# KiCad board untitled.kicad_pcb (continued)
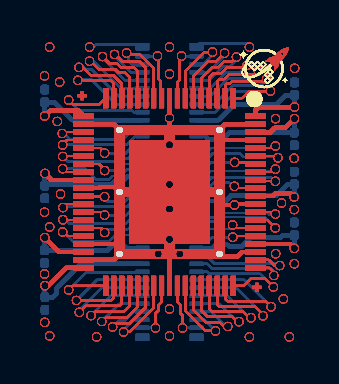
[diagram p0: board, top side]
## Routing (per net, layer and track width the routed paths; a pad name or vN(x,y) marks a point on that pad's centre or on a via; arc(x,y) is an arc through that point) (continued)
/PIN 7: length 267.5
  Top w0.1: 3.46,11.02 J158.16 ; 3.46,11.02 3.31,11.17 ; 3.46,11.02 J158.16 ; 3.46,11.02 J158.16 ; 3.46,11.02 J158.16 ; 3.46,11.02 3.31,11.17 ; 3.46,11.02 3.31,11.17 ; 3.46,11.02 3.31,11.17 ; 3.46,11.02 J158.16 ; 3.46,11.02 3.31,11.17 ; 3.46,11.02 J158.16 ; 3.46,11.02 3.31,11.17 ; 3.46,11.02 J158.16 ; 3.46,11.02 3.31,11.17 ; 3.46,11.02 3.31,11.17 ; 3.46,11.02 J158.16 ; 3.46,11.02 J158.16 ; 3.46,11.02 J158.16 ; 3.46,11.02 J158.16 ; 3.46,11.02 J158.16 ; 3.46,11.02 3.31,11.17 ; 3.46,11.02 J158.16 ; 3.46,11.02 J158.16 ; 3.46,11.02 J158.16 ; 3.46,11.02 J158.16 ; 3.46,11.02 J158.16 ; 3.46,11.02 J158.16 ; 3.46,11.02 3.31,11.17 ; 3.46,11.02 J158.16 ; 3.46,11.02 3.31,11.17 ; 3.46,11.02 J158.16 ; 3.46,11.02 3.31,11.17 ; 3.46,11.02 3.31,11.17 ; 3.46,11.02 3.31,11.17 ; 3.46,11.02 3.31,11.17 ; 3.46,11.02 J158.16 ; 3.46,11.02 3.31,11.17 ; 3.46,11.02 3.31,11.17 ; 3.46,11.02 J158.16 ; 3.46,11.02 3.31,11.17 ; 3.46,11.02 J158.16 ; 3.46,11.02 3.31,11.17 ; 3.46,11.02 3.31,11.17 ; 3.46,11.02 J158.16 ; 3.46,11.02 J158.16 ; 3.46,11.02 3.31,11.17 ; 3.46,11.02 3.31,11.17 ; 3.46,11.02 3.31,11.17 ; 3.46,11.02 J158.16 ; 3.46,11.02 3.31,11.17 ; 3.46,11.02 3.31,11.17 ; 3.46,11.02 J158.16 ; 3.46,11.02 3.31,11.17 ; 3.46,11.02 3.31,11.17 ; 3.46,11.02 3.31,11.17 ; 3.46,11.02 3.31,11.17 ; 3.46,11.02 J158.16 ; 3.46,11.02 3.31,11.17 ; 3.46,11.02 J158.16 ; 3.46,11.02 J158.16 ; 3.46,11.02 J158.16 ; 3.46,11.02 3.31,11.17 ; 3.46,11.02 3.31,11.17 ; 3.46,11.02 3.31,11.17 ; 3.46,11.02 3.31,11.17 ; 3.46,11.02 J158.16 ; 3.46,11.02 J158.16 ; 3.46,11.02 J158.16 ; 3.46,11.02 3.31,11.17 ; 3.46,11.02 3.31,11.17 ; 3.46,11.02 J158.16 ; 3.46,11.02 J158.16 ; 3.46,11.02 3.31,11.17 ; 3.46,11.02 J158.16 ; 3.46,11.02 3.31,11.17 ; 3.46,11.02 J158.16 ; 3.46,11.02 3.31,11.17 ; 3.46,11.02 J158.16 ; 3.46,11.02 3.31,11.17 ; 3.46,11.02 3.31,11.17 ; 3.46,11.02 J158.16 ; 3.46,11.02 J158.16 ; 3.46,11.02 3.31,11.17 ; 3.46,11.02 J158.16 ; 3.31,11.17 v1(1.67,11.17) ; 3.31,11.17 v1(1.67,11.17) ; 3.31,11.17 v1(1.67,11.17) ; 3.31,11.17 v1(1.67,11.17) ; 3.31,11.17 v1(1.67,11.17) ; 3.31,11.17 v1(1.67,11.17) ; 3.31,11.17 v1(1.67,11.17) ; 3.31,11.17 v1(1.67,11.17) ; 3.31,11.17 v1(1.67,11.17) ; 3.31,11.17 v1(1.67,11.17) ; 3.31,11.17 v1(1.67,11.17) ; 3.31,11.17 v1(1.67,11.17) ; 3.31,11.17 v1(1.67,11.17) ; 3.31,11.17 v1(1.67,11.17) ; 3.31,11.17 v1(1.67,11.17) ; 3.31,11.17 v1(1.67,11.17) ; 3.31,11.17 v1(1.67,11.17) ; 3.31,11.17 v1(1.67,11.17) ; 3.31,11.17 v1(1.67,11.17) ; 3.31,11.17 v1(1.67,11.17) ; 3.31,11.17 v1(1.67,11.17) ; 3.31,11.17 v1(1.67,11.17) ; 3.31,11.17 v1(1.67,11.17) ; 3.31,11.17 v1(1.67,11.17) ; 3.31,11.17 v1(1.67,11.17) ; 3.31,11.17 v1(1.67,11.17) ; 3.31,11.17 v1(1.67,11.17) ; 3.31,11.17 v1(1.67,11.17) ; 3.31,11.17 v1(1.67,11.17) ; 3.31,11.17 v1(1.67,11.17) ; 3.31,11.17 v1(1.67,11.17) ; 3.31,11.17 v1(1.67,11.17) ; 3.31,11.17 v1(1.67,11.17) ; 3.31,11.17 v1(1.67,11.17) ; 3.31,11.17 v1(1.67,11.17) ; 3.31,11.17 v1(1.67,11.17) ; 3.31,11.17 v1(1.67,11.17) ; 3.31,11.17 v1(1.67,11.17) ; 3.31,11.17 v1(1.67,11.17) ; 3.31,11.17 v1(1.67,11.17) ; 3.31,11.17 v1(1.67,11.17) ; 3.31,11.17 v1(1.67,11.17)
  Bottom w0.1: 3.57,9.98 J173.64 ; 3.57,9.98 2.32,11.23 ; 3.57,9.98 J173.64 ; 3.57,9.98 2.32,11.23 ; 3.57,9.98 J173.64 ; 3.57,9.98 J173.64 ; 3.57,9.98 2.32,11.23 ; 3.57,9.98 J173.64 ; 3.57,9.98 J173.64 ; 3.57,9.98 J173.64 ; 3.57,9.98 J173.64 ; 3.57,9.98 2.32,11.23 ; 3.57,9.98 2.32,11.23 ; 3.57,9.98 J173.64 ; 3.57,9.98 2.32,11.23 ; 3.57,9.98 J173.64 ; 3.57,9.98 J173.64 ; 3.57,9.98 2.32,11.23 ; 3.57,9.98 J173.64 ; 3.57,9.98 2.32,11.23 ; 3.57,9.98 J173.64 ; 3.57,9.98 2.32,11.23 ; 3.57,9.98 J173.64 ; 3.57,9.98 2.32,11.23 ; 3.57,9.98 J173.64 ; 3.57,9.98 J173.64 ; 3.57,9.98 2.32,11.23 ; 3.57,9.98 2.32,11.23 ; 3.57,9.98 J173.64 ; 3.57,9.98 J173.64 ; 3.57,9.98 J173.64 ; 3.57,9.98 2.32,11.23 ; 3.57,9.98 J173.64 ; 3.57,9.98 J173.64 ; 3.57,9.98 2.32,11.23 ; 3.57,9.98 2.32,11.23 ; 3.57,9.98 2.32,11.23 ; 3.57,9.98 2.32,11.23 ; 3.57,9.98 2.32,11.23 ; 3.57,9.98 J173.64 ; 3.57,9.98 2.32,11.23 ; 3.57,9.98 2.32,11.23 ; 3.57,9.98 2.32,11.23 ; 3.57,9.98 2.32,11.23 ; 3.57,9.98 J173.64 ; 3.57,9.98 2.32,11.23 ; 3.57,9.98 2.32,11.23 ; 3.57,9.98 2.32,11.23 ; 3.57,9.98 J173.64 ; 3.57,9.98 J173.64 ; 3.57,9.98 2.32,11.23 ; 3.57,9.98 J173.64 ; 3.57,9.98 J173.64 ; 3.57,9.98 2.32,11.23 ; 3.57,9.98 2.32,11.23 ; 3.57,9.98 J173.64 ; 3.57,9.98 J173.64 ; 3.57,9.98 2.32,11.23 ; 3.57,9.98 J173.64 ; 3.57,9.98 J173.64 ; 3.57,9.98 J173.64 ; 3.57,9.98 J173.64 ; 3.57,9.98 J173.64 ; 3.57,9.98 2.32,11.23 ; 3.57,9.98 2.32,11.23 ; 3.57,9.98 2.32,11.23 ; 3.57,9.98 2.32,11.23 ; 3.57,9.98 2.32,11.23 ; 3.57,9.98 J173.64 ; 3.57,9.98 J173.64 ; 3.57,9.98 2.32,11.23 ; 3.57,9.98 J173.64 ; 3.57,9.98 J173.64 ; 3.57,9.98 J173.64 ; 3.57,9.98 J173.64 ; 3.57,9.98 J173.64 ; 3.57,9.98 2.32,11.23 ; 3.57,9.98 J173.64 ; 3.57,9.98 2.32,11.23 ; 3.57,9.98 2.32,11.23 ; 3.57,9.98 2.32,11.23 ; 3.57,9.98 2.32,11.23 ; 3.57,9.98 2.32,11.23 ; 3.57,9.98 2.32,11.23 ; 2.32,11.23 1.73,11.23 ; 2.32,11.23 1.73,11.23 ; 2.32,11.23 1.73,11.23 ; 2.32,11.23 1.73,11.23 ; 2.32,11.23 1.73,11.23 ; 2.32,11.23 1.73,11.23 ; 2.32,11.23 1.73,11.23 ; 2.32,11.23 1.73,11.23 ; 2.32,11.23 1.73,11.23 ; 2.32,11.23 1.73,11.23 ; 2.32,11.23 1.73,11.23 ; 2.32,11.23 1.73,11.23 ; 2.32,11.23 1.73,11.23 ; 2.32,11.23 1.73,11.23 ; 2.32,11.23 1.73,11.23 ; 2.32,11.23 1.73,11.23 ; 2.32,11.23 1.73,11.23 ; 2.32,11.23 1.73,11.23 ; 2.32,11.23 1.73,11.23 ; 2.32,11.23 1.73,11.23 ; 2.32,11.23 1.73,11.23 ; 2.32,11.23 1.73,11.23 ; 2.32,11.23 1.73,11.23 ; 2.32,11.23 1.73,11.23 ; 2.32,11.23 1.73,11.23 ; 2.32,11.23 1.73,11.23 ; 2.32,11.23 1.73,11.23 ; 2.32,11.23 1.73,11.23 ; 2.32,11.23 1.73,11.23 ; 2.32,11.23 1.73,11.23 ; 2.32,11.23 1.73,11.23 ; 2.32,11.23 1.73,11.23 ; 2.32,11.23 1.73,11.23 ; 2.32,11.23 1.73,11.23 ; 2.32,11.23 1.73,11.23 ; 2.32,11.23 1.73,11.23 ; 2.32,11.23 1.73,11.23 ; 2.32,11.23 1.73,11.23 ; 2.32,11.23 1.73,11.23 ; 2.32,11.23 1.73,11.23 ; 2.32,11.23 1.73,11.23 ; 2.32,11.23 1.73,11.23 ; 1.73,11.23 v1(1.67,11.17) ; 1.73,11.23 v1(1.67,11.17) ; 1.73,11.23 v1(1.67,11.17) ; 1.73,11.23 v1(1.67,11.17) ; 1.73,11.23 v1(1.67,11.17) ; 1.73,11.23 v1(1.67,11.17) ; 1.73,11.23 v1(1.67,11.17) ; 1.73,11.23 v1(1.67,11.17) ; 1.73,11.23 v1(1.67,11.17) ; 1.73,11.23 v1(1.67,11.17) ; 1.73,11.23 v1(1.67,11.17) ; 1.73,11.23 v1(1.67,11.17) ; 1.73,11.23 v1(1.67,11.17) ; 1.73,11.23 v1(1.67,11.17) ; 1.73,11.23 v1(1.67,11.17) ; 1.73,11.23 v1(1.67,11.17) ; 1.73,11.23 v1(1.67,11.17) ; 1.73,11.23 v1(1.67,11.17) ; 1.73,11.23 v1(1.67,11.17) ; 1.73,11.23 v1(1.67,11.17) ; 1.73,11.23 v1(1.67,11.17) ; 1.73,11.23 v1(1.67,11.17) ; 1.73,11.23 v1(1.67,11.17) ; 1.73,11.23 v1(1.67,11.17) ; 1.73,11.23 v1(1.67,11.17) ; 1.73,11.23 v1(1.67,11.17) ; 1.73,11.23 v1(1.67,11.17) ; 1.73,11.23 v1(1.67,11.17) ; 1.73,11.23 v1(1.67,11.17) ; 1.73,11.23 v1(1.67,11.17) ; 1.73,11.23 v1(1.67,11.17) ; 1.73,11.23 v1(1.67,11.17) ; 1.73,11.23 v1(1.67,11.17) ; 1.73,11.23 v1(1.67,11.17) ; 1.73,11.23 v1(1.67,11.17) ; 1.73,11.23 v1(1.67,11.17) ; 1.73,11.23 v1(1.67,11.17) ; 1.73,11.23 v1(1.67,11.17) ; 1.73,11.23 v1(1.67,11.17) ; 1.73,11.23 v1(1.67,11.17) ; 1.73,11.23 v1(1.67,11.17) ; 1.73,11.23 v1(1.67,11.17)
/PIN 8: length 252.4
  Top w0.1: 1.42,9.97 v1(1.21,10.18) ; 1.42,9.97 v1(1.21,10.18) ; 1.42,9.97 v1(1.21,10.18) ; 1.42,9.97 v1(1.21,10.18) ; 1.42,9.97 2.75,9.97 ; 1.42,9.97 v1(1.21,10.18) ; 1.42,9.97 2.75,9.97 ; 1.42,9.97 2.75,9.97 ; 1.42,9.97 2.75,9.97 ; 1.42,9.97 2.75,9.97 ; 1.42,9.97 2.75,9.97 ; 1.42,9.97 v1(1.21,10.18) ; 1.42,9.97 2.75,9.97 ; 1.42,9.97 v1(1.21,10.18) ; 1.42,9.97 v1(1.21,10.18) ; 1.42,9.97 v1(1.21,10.18) ; 1.42,9.97 v1(1.21,10.18) ; 1.42,9.97 v1(1.21,10.18) ; 1.42,9.97 2.75,9.97 ; 1.42,9.97 2.75,9.97 ; 1.42,9.97 v1(1.21,10.18) ; 1.42,9.97 v1(1.21,10.18) ; 1.42,9.97 v1(1.21,10.18) ; 1.42,9.97 2.75,9.97 ; 1.42,9.97 v1(1.21,10.18) ; 1.42,9.97 v1(1.21,10.18) ; 1.42,9.97 v1(1.21,10.18) ; 1.42,9.97 2.75,9.97 ; 1.42,9.97 2.75,9.97 ; 1.42,9.97 2.75,9.97 ; 1.42,9.97 2.75,9.97 ; 1.42,9.97 v1(1.21,10.18) ; 1.42,9.97 v1(1.21,10.18) ; 1.42,9.97 v1(1.21,10.18) ; 1.42,9.97 v1(1.21,10.18) ; 1.42,9.97 v1(1.21,10.18) ; 1.42,9.97 2.75,9.97 ; 1.42,9.97 v1(1.21,10.18) ; 1.42,9.97 2.75,9.97 ; 1.42,9.97 v1(1.21,10.18) ; 1.42,9.97 v1(1.21,10.18) ; 1.42,9.97 2.75,9.97 ; 1.42,9.97 2.75,9.97 ; 1.42,9.97 v1(1.21,10.18) ; 1.42,9.97 2.75,9.97 ; 1.42,9.97 2.75,9.97 ; 1.42,9.97 2.75,9.97 ; 1.42,9.97 2.75,9.97 ; 1.42,9.97 2.75,9.97 ; 1.42,9.97 2.75,9.97 ; 1.42,9.97 2.75,9.97 ; 1.42,9.97 2.75,9.97 ; 1.42,9.97 v1(1.21,10.18) ; 1.42,9.97 2.75,9.97 ; 1.42,9.97 v1(1.21,10.18) ; 1.42,9.97 2.75,9.97 ; 1.42,9.97 v1(1.21,10.18) ; 1.42,9.97 2.75,9.97 ; 1.42,9.97 v1(1.21,10.18) ; 1.42,9.97 2.75,9.97 ; 1.42,9.97 2.75,9.97 ; 1.42,9.97 v1(1.21,10.18) ; 1.42,9.97 2.75,9.97 ; 1.42,9.97 v1(1.21,10.18) ; 1.42,9.97 v1(1.21,10.18) ; 1.42,9.97 2.75,9.97 ; 1.42,9.97 2.75,9.97 ; 1.42,9.97 2.75,9.97 ; 1.42,9.97 v1(1.21,10.18) ; 1.42,9.97 v1(1.21,10.18) ; 1.42,9.97 2.75,9.97 ; 1.42,9.97 v1(1.21,10.18) ; 1.42,9.97 2.75,9.97 ; 1.42,9.97 v1(1.21,10.18) ; 1.42,9.97 2.75,9.97 ; 1.42,9.97 2.75,9.97 ; 1.42,9.97 2.75,9.97 ; 1.42,9.97 v1(1.21,10.18) ; 1.42,9.97 2.75,9.97 ; 1.42,9.97 v1(1.21,10.18) ; 1.42,9.97 v1(1.21,10.18) ; 1.42,9.97 v1(1.21,10.18) ; 1.42,9.97 v1(1.21,10.18) ; 1.42,9.97 2.75,9.97 ; J158.17 2.75,9.97 ; J158.17 2.75,9.97 ; J158.17 2.75,9.97 ; J158.17 2.75,9.97 ; J158.17 2.75,9.97 ; J158.17 2.75,9.97 ; J158.17 2.75,9.97 ; J158.17 2.75,9.97 ; J158.17 2.75,9.97 ; J158.17 2.75,9.97 ; J158.17 2.75,9.97 ; J158.17 2.75,9.97 ; J158.17 2.75,9.97 ; J158.17 2.75,9.97 ; J158.17 2.75,9.97 ; J158.17 2.75,9.97 ; J158.17 2.75,9.97 ; J158.17 2.75,9.97 ; J158.17 2.75,9.97 ; J158.17 2.75,9.97 ; J158.17 2.75,9.97 ; J158.17 2.75,9.97 ; J158.17 2.75,9.97 ; J158.17 2.75,9.97 ; J158.17 2.75,9.97 ; J158.17 2.75,9.97 ; J158.17 2.75,9.97 ; J158.17 2.75,9.97 ; J158.17 2.75,9.97 ; J158.17 2.75,9.97 ; J158.17 2.75,9.97 ; J158.17 2.75,9.97 ; J158.17 2.75,9.97 ; J158.17 2.75,9.97 ; J158.17 2.75,9.97 ; J158.17 2.75,9.97 ; J158.17 2.75,9.97 ; J158.17 2.75,9.97 ; J158.17 2.75,9.97 ; J158.17 2.75,9.97 ; J158.17 2.75,9.97 ; J158.17 2.75,9.97
  Bottom w0.1: v1(1.21,10.18) 1.71,9.68 ; v1(1.21,10.18) 1.71,9.68 ; v1(1.21,10.18) 1.71,9.68 ; v1(1.21,10.18) 1.71,9.68 ; v1(1.21,10.18) 1.71,9.68 ; v1(1.21,10.18) 1.71,9.68 ; v1(1.21,10.18) 1.71,9.68 ; v1(1.21,10.18) 1.71,9.68 ; v1(1.21,10.18) 1.71,9.68 ; v1(1.21,10.18) 1.71,9.68 ; v1(1.21,10.18) 1.71,9.68 ; v1(1.21,10.18) 1.71,9.68 ; v1(1.21,10.18) 1.71,9.68 ; v1(1.21,10.18) 1.71,9.68 ; v1(1.21,10.18) 1.71,9.68 ; v1(1.21,10.18) 1.71,9.68 ; v1(1.21,10.18) 1.71,9.68 ; v1(1.21,10.18) 1.71,9.68 ; v1(1.21,10.18) 1.71,9.68 ; v1(1.21,10.18) 1.71,9.68 ; v1(1.21,10.18) 1.71,9.68 ; v1(1.21,10.18) 1.71,9.68 ; v1(1.21,10.18) 1.71,9.68 ; v1(1.21,10.18) 1.71,9.68 ; v1(1.21,10.18) 1.71,9.68 ; v1(1.21,10.18) 1.71,9.68 ; v1(1.21,10.18) 1.71,9.68 ; v1(1.21,10.18) 1.71,9.68 ; v1(1.21,10.18) 1.71,9.68 ; v1(1.21,10.18) 1.71,9.68 ; v1(1.21,10.18) 1.71,9.68 ; v1(1.21,10.18) 1.71,9.68 ; v1(1.21,10.18) 1.71,9.68 ; v1(1.21,10.18) 1.71,9.68 ; v1(1.21,10.18) 1.71,9.68 ; v1(1.21,10.18) 1.71,9.68 ; v1(1.21,10.18) 1.71,9.68 ; v1(1.21,10.18) 1.71,9.68 ; v1(1.21,10.18) 1.71,9.68 ; v1(1.21,10.18) 1.71,9.68 ; v1(1.21,10.18) 1.71,9.68 ; v1(1.21,10.18) 1.71,9.68 ; 1.71,9.68 4.36,9.68 ; 1.71,9.68 4.36,9.68 ; 1.71,9.68 4.36,9.68 ; 1.71,9.68 4.36,9.68 ; 1.71,9.68 4.36,9.68 ; 1.71,9.68 4.36,9.68 ; 1.71,9.68 4.36,9.68 ; 1.71,9.68 4.36,9.68 ; 1.71,9.68 4.36,9.68 ; 1.71,9.68 4.36,9.68 ; 1.71,9.68 4.36,9.68 ; 1.71,9.68 4.36,9.68 ; 1.71,9.68 4.36,9.68 ; 1.71,9.68 4.36,9.68 ; 1.71,9.68 4.36,9.68 ; 1.71,9.68 4.36,9.68 ; 1.71,9.68 4.36,9.68 ; 1.71,9.68 4.36,9.68 ; 1.71,9.68 4.36,9.68 ; 1.71,9.68 4.36,9.68 ; 1.71,9.68 4.36,9.68 ; 1.71,9.68 4.36,9.68 ; 1.71,9.68 4.36,9.68 ; 1.71,9.68 4.36,9.68 ; 1.71,9.68 4.36,9.68 ; 1.71,9.68 4.36,9.68 ; 1.71,9.68 4.36,9.68 ; 1.71,9.68 4.36,9.68 ; 1.71,9.68 4.36,9.68 ; 1.71,9.68 4.36,9.68 ; 1.71,9.68 4.36,9.68 ; 1.71,9.68 4.36,9.68 ; 1.71,9.68 4.36,9.68 ; 1.71,9.68 4.36,9.68 ; 1.71,9.68 4.36,9.68 ; 1.71,9.68 4.36,9.68 ; 1.71,9.68 4.36,9.68 ; 1.71,9.68 4.36,9.68 ; 1.71,9.68 4.36,9.68 ; 1.71,9.68 4.36,9.68 ; 1.71,9.68 4.36,9.68 ; 1.71,9.68 4.36,9.68 ; 4.36,9.68 4.46,9.58 ; 4.36,9.68 4.46,9.58 ; 4.36,9.68 4.46,9.58 ; 4.36,9.68 4.46,9.58 ; 4.36,9.68 4.46,9.58 ; 4.36,9.68 4.46,9.58 ; 4.36,9.68 4.46,9.58 ; 4.36,9.68 4.46,9.58 ; 4.36,9.68 4.46,9.58 ; 4.36,9.68 4.46,9.58 ; 4.36,9.68 4.46,9.58 ; 4.36,9.68 4.46,9.58 ; 4.36,9.68 4.46,9.58 ; 4.36,9.68 4.46,9.58 ; 4.36,9.68 4.46,9.58 ; 4.36,9.68 4.46,9.58 ; 4.36,9.68 4.46,9.58 ; 4.36,9.68 4.46,9.58 ; 4.36,9.68 4.46,9.58 ; 4.36,9.68 4.46,9.58 ; 4.36,9.68 4.46,9.58 ; 4.36,9.68 4.46,9.58 ; 4.36,9.68 4.46,9.58 ; 4.36,9.68 4.46,9.58 ; 4.36,9.68 4.46,9.58 ; 4.36,9.68 4.46,9.58 ; 4.36,9.68 4.46,9.58 ; 4.36,9.68 4.46,9.58 ; 4.36,9.68 4.46,9.58 ; 4.36,9.68 4.46,9.58 ; 4.36,9.68 4.46,9.58 ; 4.36,9.68 4.46,9.58 ; 4.36,9.68 4.46,9.58 ; 4.36,9.68 4.46,9.58 ; 4.36,9.68 4.46,9.58 ; 4.36,9.68 4.46,9.58 ; 4.36,9.68 4.46,9.58 ; 4.36,9.68 4.46,9.58 ; 4.36,9.68 4.46,9.58 ; 4.36,9.68 4.46,9.58 ; 4.36,9.68 4.46,9.58 ; 4.36,9.68 4.46,9.58 ; 4.46,9.58 J173.63 ; 4.46,9.58 J173.63 ; 4.46,9.58 J173.63 ; 4.46,9.58 J173.63 ; 4.46,9.58 J173.63 ; 4.46,9.58 J173.63 ; 4.46,9.58 J173.63 ; 4.46,9.58 J173.63 ; 4.46,9.58 J173.63 ; 4.46,9.58 J173.63 ; 4.46,9.58 J173.63 ; 4.46,9.58 J173.63 ; 4.46,9.58 J173.63 ; 4.46,9.58 J173.63 ; 4.46,9.58 J173.63 ; 4.46,9.58 J173.63 ; 4.46,9.58 J173.63 ; 4.46,9.58 J173.63 ; 4.46,9.58 J173.63 ; 4.46,9.58 J173.63 ; 4.46,9.58 J173.63 ; 4.46,9.58 J173.63 ; 4.46,9.58 J173.63 ; 4.46,9.58 J173.63 ; 4.46,9.58 J173.63 ; 4.46,9.58 J173.63 ; 4.46,9.58 J173.63 ; 4.46,9.58 J173.63 ; 4.46,9.58 J173.63 ; 4.46,9.58 J173.63 ; 4.46,9.58 J173.63 ; 4.46,9.58 J173.63 ; 4.46,9.58 J173.63 ; 4.46,9.58 J173.63 ; 4.46,9.58 J173.63 ; 4.46,9.58 J173.63 ; 4.46,9.58 J173.63 ; 4.46,9.58 J173.63 ; 4.46,9.58 J173.63 ; 4.46,9.58 J173.63 ; 4.46,9.58 J173.63 ; 4.46,9.58 J173.63
/PIN 9: length 341.7
  Top w0.2: v1(0.01,9.38) 0.3,9.67 ; v1(0.01,9.38) 0.3,9.67 ; v1(0.01,9.38) 0.3,9.67 ; v1(0.01,9.38) 0.3,9.67 ; v1(0.01,9.38) 0.3,9.67 ; v1(0.01,9.38) 0.3,9.67 ; v1(0.01,9.38) 0.3,9.67 ; v1(0.01,9.38) 0.3,9.67 ; v1(0.01,9.38) 0.3,9.67 ; v1(0.01,9.38) 0.3,9.67 ; v1(0.01,9.38) 0.3,9.67 ; v1(0.01,9.38) 0.3,9.67 ; v1(0.01,9.38) 0.3,9.67 ; v1(0.01,9.38) 0.3,9.67 ; v1(0.01,9.38) 0.3,9.67 ; v1(0.01,9.38) 0.3,9.67 ; v1(0.01,9.38) 0.3,9.67 ; v1(0.01,9.38) 0.3,9.67 ; v1(0.01,9.38) 0.3,9.67 ; v1(0.01,9.38) 0.3,9.67 ; v1(0.01,9.38) 0.3,9.67 ; v1(0.01,9.38) 0.3,9.67 ; v1(0.01,9.38) 0.3,9.67 ; v1(0.01,9.38) 0.3,9.67 ; v1(0.01,9.38) 0.3,9.67 ; v1(0.01,9.38) 0.3,9.67 ; v1(0.01,9.38) 0.3,9.67 ; v1(0.01,9.38) 0.3,9.67 ; v1(0.01,9.38) 0.3,9.67 ; v1(0.01,9.38) 0.3,9.67 ; v1(0.01,9.38) 0.3,9.67 ; v1(0.01,9.38) 0.3,9.67 ; v1(0.01,9.38) 0.3,9.67 ; v1(0.01,9.38) 0.3,9.67 ; v1(0.01,9.38) 0.3,9.67 ; v1(0.01,9.38) 0.3,9.67 ; v1(0.01,9.38) 0.3,9.67 ; v1(0.01,9.38) 0.3,9.67 ; v1(0.01,9.38) 0.3,9.67 ; v1(0.01,9.38) 0.3,9.67 ; v1(0.01,9.38) 0.3,9.67 ; v1(0.01,9.38) 0.3,9.67 ; 0.3,9.67 1.67,9.67 ; 0.3,9.67 1.67,9.67 ; 0.3,9.67 1.67,9.67 ; 0.3,9.67 1.67,9.67 ; 0.3,9.67 1.67,9.67 ; 0.3,9.67 1.67,9.67 ; 0.3,9.67 1.67,9.67 ; 0.3,9.67 1.67,9.67 ; 0.3,9.67 1.67,9.67 ; 0.3,9.67 1.67,9.67 ; 0.3,9.67 1.67,9.67 ; 0.3,9.67 1.67,9.67 ; 0.3,9.67 1.67,9.67 ; 0.3,9.67 1.67,9.67 ; 0.3,9.67 1.67,9.67 ; 0.3,9.67 1.67,9.67 ; 0.3,9.67 1.67,9.67 ; 0.3,9.67 1.67,9.67 ; 0.3,9.67 1.67,9.67 ; 0.3,9.67 1.67,9.67 ; 0.3,9.67 1.67,9.67 ; 0.3,9.67 1.67,9.67 ; 0.3,9.67 1.67,9.67 ; 0.3,9.67 1.67,9.67 ; 0.3,9.67 1.67,9.67 ; 0.3,9.67 1.67,9.67 ; 0.3,9.67 1.67,9.67 ; 0.3,9.67 1.67,9.67 ; 0.3,9.67 1.67,9.67 ; 0.3,9.67 1.67,9.67 ; 0.3,9.67 1.67,9.67 ; 0.3,9.67 1.67,9.67 ; 0.3,9.67 1.67,9.67 ; 0.3,9.67 1.67,9.67 ; 0.3,9.67 1.67,9.67 ; 0.3,9.67 1.67,9.67 ; 0.3,9.67 1.67,9.67 ; 0.3,9.67 1.67,9.67 ; 0.3,9.67 1.67,9.67 ; 0.3,9.67 1.67,9.67 ; 0.3,9.67 1.67,9.67 ; 0.3,9.67 1.67,9.67 ; 1.67,9.67 J158.18 ; 1.67,9.67 J158.18 ; 1.67,9.67 J158.18 ; 1.67,9.67 J158.18 ; 1.67,9.67 J158.18 ; 1.67,9.67 J158.18 ; 1.67,9.67 J158.18 ; 1.67,9.67 J158.18 ; 1.67,9.67 J158.18 ; 1.67,9.67 J158.18 ; 1.67,9.67 J158.18 ; 1.67,9.67 J158.18 ; 1.67,9.67 J158.18 ; 1.67,9.67 J158.18 ; 1.67,9.67 J158.18 ; 1.67,9.67 J158.18 ; 1.67,9.67 J158.18 ; 1.67,9.67 J158.18 ; 1.67,9.67 J158.18 ; 1.67,9.67 J158.18 ; 1.67,9.67 J158.18 ; 1.67,9.67 J158.18 ; 1.67,9.67 J158.18 ; 1.67,9.67 J158.18 ; 1.67,9.67 J158.18 ; 1.67,9.67 J158.18 ; 1.67,9.67 J158.18 ; 1.67,9.67 J158.18 ; 1.67,9.67 J158.18 ; 1.67,9.67 J158.18 ; 1.67,9.67 J158.18 ; 1.67,9.67 J158.18 ; 1.67,9.67 J158.18 ; 1.67,9.67 J158.18 ; 1.67,9.67 J158.18 ; 1.67,9.67 J158.18 ; 1.67,9.67 J158.18 ; 1.67,9.67 J158.18 ; 1.67,9.67 J158.18 ; 1.67,9.67 J158.18 ; 1.67,9.67 J158.18 ; 1.67,9.67 J158.18
  Bottom w0.2: J173.62 1.39,9.18 ; J173.62 1.39,9.18 ; J173.62 1.39,9.18 ; J173.62 1.39,9.18 ; J173.62 1.39,9.18 ; J173.62 1.39,9.18 ; J173.62 1.39,9.18 ; J173.62 1.39,9.18 ; J173.62 1.39,9.18 ; J173.62 1.39,9.18 ; J173.62 1.39,9.18 ; J173.62 1.39,9.18 ; J173.62 1.39,9.18 ; J173.62 1.39,9.18 ; J173.62 1.39,9.18 ; J173.62 1.39,9.18 ; J173.62 1.39,9.18 ; J173.62 1.39,9.18 ; J173.62 1.39,9.18 ; J173.62 1.39,9.18 ; J173.62 1.39,9.18 ; J173.62 1.39,9.18 ; J173.62 1.39,9.18 ; J173.62 1.39,9.18 ; J173.62 1.39,9.18 ; J173.62 1.39,9.18 ; J173.62 1.39,9.18 ; J173.62 1.39,9.18 ; J173.62 1.39,9.18 ; J173.62 1.39,9.18 ; J173.62 1.39,9.18 ; J173.62 1.39,9.18 ; J173.62 1.39,9.18 ; J173.62 1.39,9.18 ; J173.62 1.39,9.18 ; J173.62 1.39,9.18 ; J173.62 1.39,9.18 ; J173.62 1.39,9.18 ; J173.62 1.39,9.18 ; J173.62 1.39,9.18 ; J173.62 1.39,9.18 ; J173.62 1.39,9.18 ; 1.39,9.18 0.51,10.06 ; 1.39,9.18 0.51,10.06 ; 1.39,9.18 0.51,10.06 ; 1.39,9.18 0.51,10.06 ; 1.39,9.18 0.51,10.06 ; 1.39,9.18 0.51,10.06 ; 1.39,9.18 0.51,10.06 ; 1.39,9.18 0.51,10.06 ; 1.39,9.18 0.51,10.06 ; 1.39,9.18 0.51,10.06 ; 1.39,9.18 0.51,10.06 ; 1.39,9.18 0.51,10.06 ; 1.39,9.18 0.51,10.06 ; 1.39,9.18 0.51,10.06 ; 1.39,9.18 0.51,10.06 ; 1.39,9.18 0.51,10.06 ; 1.39,9.18 0.51,10.06 ; 1.39,9.18 0.51,10.06 ; 1.39,9.18 0.51,10.06 ; 1.39,9.18 0.51,10.06 ; 1.39,9.18 0.51,10.06 ; 1.39,9.18 0.51,10.06 ; 1.39,9.18 0.51,10.06 ; 1.39,9.18 0.51,10.06 ; 1.39,9.18 0.51,10.06 ; 1.39,9.18 0.51,10.06 ; 1.39,9.18 0.51,10.06 ; 1.39,9.18 0.51,10.06 ; 1.39,9.18 0.51,10.06 ; 1.39,9.18 0.51,10.06 ; 1.39,9.18 0.51,10.06 ; 1.39,9.18 0.51,10.06 ; 1.39,9.18 0.51,10.06 ; 1.39,9.18 0.51,10.06 ; 1.39,9.18 0.51,10.06 ; 1.39,9.18 0.51,10.06 ; 1.39,9.18 0.51,10.06 ; 1.39,9.18 0.51,10.06 ; 1.39,9.18 0.51,10.06 ; 1.39,9.18 0.51,10.06 ; 1.39,9.18 0.51,10.06 ; 1.39,9.18 0.51,10.06 ; 0.51,10.06 C227.1 ; 0.51,10.06 C227.1 ; 0.51,10.06 C227.1 ; 0.51,10.06 C227.1 ; 0.51,10.06 C227.1 ; 0.51,10.06 C227.1 ; 0.51,10.06 C227.1 ; 0.51,10.06 C227.1 ; 0.51,10.06 C227.1 ; 0.51,10.06 C227.1 ; 0.51,10.06 C227.1 ; 0.51,10.06 C227.1 ; 0.51,10.06 C227.1 ; 0.51,10.06 C227.1 ; 0.51,10.06 C227.1 ; 0.51,10.06 C227.1 ; 0.51,10.06 C227.1 ; 0.51,10.06 C227.1 ; 0.51,10.06 C227.1 ; 0.51,10.06 C227.1 ; 0.51,10.06 C227.1 ; 0.51,10.06 C227.1 ; 0.51,10.06 C227.1 ; 0.51,10.06 C227.1 ; 0.51,10.06 C227.1 ; 0.51,10.06 C227.1 ; 0.51,10.06 C227.1 ; 0.51,10.06 C227.1 ; 0.51,10.06 C227.1 ; 0.51,10.06 C227.1 ; 0.51,10.06 C227.1 ; 0.51,10.06 C227.1 ; 0.51,10.06 C227.1 ; 0.51,10.06 C227.1 ; 0.51,10.06 C227.1 ; 0.51,10.06 C227.1 ; 0.51,10.06 C227.1 ; 0.51,10.06 C227.1 ; 0.51,10.06 C227.1 ; 0.51,10.06 C227.1 ; 0.51,10.06 C227.1 ; 0.51,10.06 C227.1 ; C227.1 v1(0.01,9.38) ; C227.1 v1(0.01,9.38) ; C227.1 v1(0.01,9.38) ; C227.1 v1(0.01,9.38) ; C227.1 v1(0.01,9.38) ; C227.1 v1(0.01,9.38) ; C227.1 v1(0.01,9.38) ; C227.1 v1(0.01,9.38) ; C227.1 v1(0.01,9.38) ; C227.1 v1(0.01,9.38) ; C227.1 v1(0.01,9.38) ; C227.1 v1(0.01,9.38) ; C227.1 v1(0.01,9.38) ; C227.1 v1(0.01,9.38) ; C227.1 v1(0.01,9.38) ; C227.1 v1(0.01,9.38) ; C227.1 v1(0.01,9.38) ; C227.1 v1(0.01,9.38) ; C227.1 v1(0.01,9.38) ; C227.1 v1(0.01,9.38) ; C227.1 v1(0.01,9.38) ; C227.1 v1(0.01,9.38) ; C227.1 v1(0.01,9.38) ; C227.1 v1(0.01,9.38) ; C227.1 v1(0.01,9.38) ; C227.1 v1(0.01,9.38) ; C227.1 v1(0.01,9.38) ; C227.1 v1(0.01,9.38) ; C227.1 v1(0.01,9.38) ; C227.1 v1(0.01,9.38) ; C227.1 v1(0.01,9.38) ; C227.1 v1(0.01,9.38) ; C227.1 v1(0.01,9.38) ; C227.1 v1(0.01,9.38) ; C227.1 v1(0.01,9.38) ; C227.1 v1(0.01,9.38) ; C227.1 v1(0.01,9.38) ; C227.1 v1(0.01,9.38) ; C227.1 v1(0.01,9.38) ; C227.1 v1(0.01,9.38) ; C227.1 v1(0.01,9.38) ; C227.1 v1(0.01,9.38)
/PIN 10: length 232.3
  Top w0.1: 0.96,8.58 J158.20 ; 0.96,8.58 v1(0.89,8.51) ; 0.96,8.58 J158.20 ; 0.96,8.58 J158.20 ; 0.96,8.58 v1(0.89,8.51) ; 0.96,8.58 v1(0.89,8.51) ; 0.96,8.58 J158.20 ; 0.96,8.58 v1(0.89,8.51) ; 0.96,8.58 v1(0.89,8.51) ; 0.96,8.58 J158.20 ; 0.96,8.58 v1(0.89,8.51) ; 0.96,8.58 v1(0.89,8.51) ; 0.96,8.58 v1(0.89,8.51) ; 0.96,8.58 v1(0.89,8.51) ; 0.96,8.58 v1(0.89,8.51) ; 0.96,8.58 J158.20 ; 0.96,8.58 v1(0.89,8.51) ; 0.96,8.58 v1(0.89,8.51) ; 0.96,8.58 J158.20 ; 0.96,8.58 v1(0.89,8.51) ; 0.96,8.58 v1(0.89,8.51) ; 0.96,8.58 v1(0.89,8.51) ; 0.96,8.58 J158.20 ; 0.96,8.58 J158.20 ; 0.96,8.58 v1(0.89,8.51) ; 0.96,8.58 J158.20 ; 0.96,8.58 v1(0.89,8.51) ; 0.96,8.58 J158.20 ; 0.96,8.58 v1(0.89,8.51) ; 0.96,8.58 v1(0.89,8.51) ; 0.96,8.58 J158.20 ; 0.96,8.58 v1(0.89,8.51) ; 0.96,8.58 v1(0.89,8.51) ; 0.96,8.58 v1(0.89,8.51) ; 0.96,8.58 v1(0.89,8.51) ; 0.96,8.58 v1(0.89,8.51) ; 0.96,8.58 J158.20 ; 0.96,8.58 J158.20 ; 0.96,8.58 v1(0.89,8.51) ; 0.96,8.58 v1(0.89,8.51) ; 0.96,8.58 J158.20 ; 0.96,8.58 v1(0.89,8.51) ; 0.96,8.58 J158.20 ; 0.96,8.58 J158.20 ; 0.96,8.58 v1(0.89,8.51) ; 0.96,8.58 v1(0.89,8.51) ; 0.96,8.58 J158.20 ; 0.96,8.58 J158.20 ; 0.96,8.58 J158.20 ; 0.96,8.58 J158.20 ; 0.96,8.58 J158.20 ; 0.96,8.58 v1(0.89,8.51) ; 0.96,8.58 v1(0.89,8.51) ; 0.96,8.58 J158.20 ; 0.96,8.58 J158.20 ; 0.96,8.58 J158.20 ; 0.96,8.58 J158.20 ; 0.96,8.58 v1(0.89,8.51) ; 0.96,8.58 v1(0.89,8.51) ; 0.96,8.58 J158.20 ; 0.96,8.58 J158.20 ; 0.96,8.58 v1(0.89,8.51) ; 0.96,8.58 J158.20 ; 0.96,8.58 J158.20 ; 0.96,8.58 J158.20 ; 0.96,8.58 J158.20 ; 0.96,8.58 v1(0.89,8.51) ; 0.96,8.58 J158.20 ; 0.96,8.58 J158.20 ; 0.96,8.58 J158.20 ; 0.96,8.58 v1(0.89,8.51) ; 0.96,8.58 v1(0.89,8.51) ; 0.96,8.58 v1(0.89,8.51) ; 0.96,8.58 v1(0.89,8.51) ; 0.96,8.58 J158.20 ; 0.96,8.58 v1(0.89,8.51) ; 0.96,8.58 J158.20 ; 0.96,8.58 J158.20 ; 0.96,8.58 J158.20 ; 0.96,8.58 v1(0.89,8.51) ; 0.96,8.58 J158.20 ; 0.96,8.58 J158.20 ; 0.96,8.58 v1(0.89,8.51) ; 0.96,8.58 J158.20
  Bottom w0.1: v1(0.89,8.51) 0.92,8.54 ; v1(0.89,8.51) 0.92,8.54 ; v1(0.89,8.51) 0.92,8.54 ; v1(0.89,8.51) 0.92,8.54 ; v1(0.89,8.51) 0.92,8.54 ; v1(0.89,8.51) 0.92,8.54 ; v1(0.89,8.51) 0.92,8.54 ; v1(0.89,8.51) 0.92,8.54 ; v1(0.89,8.51) 0.92,8.54 ; v1(0.89,8.51) 0.92,8.54 ; v1(0.89,8.51) 0.92,8.54 ; v1(0.89,8.51) 0.92,8.54 ; v1(0.89,8.51) 0.92,8.54 ; v1(0.89,8.51) 0.92,8.54 ; v1(0.89,8.51) 0.92,8.54 ; v1(0.89,8.51) 0.92,8.54 ; v1(0.89,8.51) 0.92,8.54 ; v1(0.89,8.51) 0.92,8.54 ; v1(0.89,8.51) 0.92,8.54 ; v1(0.89,8.51) 0.92,8.54 ; v1(0.89,8.51) 0.92,8.54 ; v1(0.89,8.51) 0.92,8.54 ; v1(0.89,8.51) 0.92,8.54 ; v1(0.89,8.51) 0.92,8.54 ; v1(0.89,8.51) 0.92,8.54 ; v1(0.89,8.51) 0.92,8.54 ; v1(0.89,8.51) 0.92,8.54 ; v1(0.89,8.51) 0.92,8.54 ; v1(0.89,8.51) 0.92,8.54 ; v1(0.89,8.51) 0.92,8.54 ; v1(0.89,8.51) 0.92,8.54 ; v1(0.89,8.51) 0.92,8.54 ; v1(0.89,8.51) 0.92,8.54 ; v1(0.89,8.51) 0.92,8.54 ; v1(0.89,8.51) 0.92,8.54 ; v1(0.89,8.51) 0.92,8.54 ; v1(0.89,8.51) 0.92,8.54 ; v1(0.89,8.51) 0.92,8.54 ; v1(0.89,8.51) 0.92,8.54 ; v1(0.89,8.51) 0.92,8.54 ; v1(0.89,8.51) 0.92,8.54 ; v1(0.89,8.51) 0.92,8.54 ; 0.92,8.54 0.95,8.54 ; 0.92,8.54 0.95,8.54 ; 0.92,8.54 0.95,8.54 ; 0.92,8.54 0.95,8.54 ; 0.92,8.54 0.95,8.54 ; 0.92,8.54 0.95,8.54 ; 0.92,8.54 0.95,8.54 ; 0.92,8.54 0.95,8.54 ; 0.92,8.54 0.95,8.54 ; 0.92,8.54 0.95,8.54 ; 0.92,8.54 0.95,8.54 ; 0.92,8.54 0.95,8.54 ; 0.92,8.54 0.95,8.54 ; 0.92,8.54 0.95,8.54 ; 0.92,8.54 0.95,8.54 ; 0.92,8.54 0.95,8.54 ; 0.92,8.54 0.95,8.54 ; 0.92,8.54 0.95,8.54 ; 0.92,8.54 0.95,8.54 ; 0.92,8.54 0.95,8.54 ; 0.92,8.54 0.95,8.54 ; 0.92,8.54 0.95,8.54 ; 0.92,8.54 0.95,8.54 ; 0.92,8.54 0.95,8.54 ; 0.92,8.54 0.95,8.54 ; 0.92,8.54 0.95,8.54 ; 0.92,8.54 0.95,8.54 ; 0.92,8.54 0.95,8.54 ; 0.92,8.54 0.95,8.54 ; 0.92,8.54 0.95,8.54 ; 0.92,8.54 0.95,8.54 ; 0.92,8.54 0.95,8.54 ; 0.92,8.54 0.95,8.54 ; 0.92,8.54 0.95,8.54 ; 0.92,8.54 0.95,8.54 ; 0.92,8.54 0.95,8.54 ; 0.92,8.54 0.95,8.54 ; 0.92,8.54 0.95,8.54 ; 0.92,8.54 0.95,8.54 ; 0.92,8.54 0.95,8.54 ; 0.92,8.54 0.95,8.54 ; 0.92,8.54 0.95,8.54 ; 0.95,8.54 1.27,8.22 ; 0.95,8.54 1.27,8.22 ; 0.95,8.54 1.27,8.22 ; 0.95,8.54 1.27,8.22 ; 0.95,8.54 1.27,8.22 ; 0.95,8.54 1.27,8.22 ; 0.95,8.54 1.27,8.22 ; 0.95,8.54 1.27,8.22 ; 0.95,8.54 1.27,8.22 ; 0.95,8.54 1.27,8.22 ; 0.95,8.54 1.27,8.22 ; 0.95,8.54 1.27,8.22 ; 0.95,8.54 1.27,8.22 ; 0.95,8.54 1.27,8.22 ; 0.95,8.54 1.27,8.22 ; 0.95,8.54 1.27,8.22 ; 0.95,8.54 1.27,8.22 ; 0.95,8.54 1.27,8.22 ; 0.95,8.54 1.27,8.22 ; 0.95,8.54 1.27,8.22 ; 0.95,8.54 1.27,8.22 ; 0.95,8.54 1.27,8.22 ; 0.95,8.54 1.27,8.22 ; 0.95,8.54 1.27,8.22 ; 0.95,8.54 1.27,8.22 ; 0.95,8.54 1.27,8.22 ; 0.95,8.54 1.27,8.22 ; 0.95,8.54 1.27,8.22 ; 0.95,8.54 1.27,8.22 ; 0.95,8.54 1.27,8.22 ; 0.95,8.54 1.27,8.22 ; 0.95,8.54 1.27,8.22 ; 0.95,8.54 1.27,8.22 ; 0.95,8.54 1.27,8.22 ; 0.95,8.54 1.27,8.22 ; 0.95,8.54 1.27,8.22 ; 0.95,8.54 1.27,8.22 ; 0.95,8.54 1.27,8.22 ; 0.95,8.54 1.27,8.22 ; 0.95,8.54 1.27,8.22 ; 0.95,8.54 1.27,8.22 ; 0.95,8.54 1.27,8.22 ; 1.27,8.22 3.95,8.22 ; 1.27,8.22 3.95,8.22 ; 1.27,8.22 3.95,8.22 ; 1.27,8.22 3.95,8.22 ; 1.27,8.22 3.95,8.22 ; 1.27,8.22 3.95,8.22 ; 1.27,8.22 3.95,8.22 ; 1.27,8.22 3.95,8.22 ; 1.27,8.22 3.95,8.22 ; 1.27,8.22 3.95,8.22 ; 1.27,8.22 3.95,8.22 ; 1.27,8.22 3.95,8.22 ; 1.27,8.22 3.95,8.22 ; 1.27,8.22 3.95,8.22 ; 1.27,8.22 3.95,8.22 ; 1.27,8.22 3.95,8.22 ; 1.27,8.22 3.95,8.22 ; 1.27,8.22 3.95,8.22 ; 1.27,8.22 3.95,8.22 ; 1.27,8.22 3.95,8.22 ; 1.27,8.22 3.95,8.22 ; 1.27,8.22 3.95,8.22 ; 1.27,8.22 3.95,8.22 ; 1.27,8.22 3.95,8.22 ; 1.27,8.22 3.95,8.22 ; 1.27,8.22 3.95,8.22 ; 1.27,8.22 3.95,8.22 ; 1.27,8.22 3.95,8.22 ; 1.27,8.22 3.95,8.22 ; 1.27,8.22 3.95,8.22 ; 1.27,8.22 3.95,8.22 ; 1.27,8.22 3.95,8.22 ; 1.27,8.22 3.95,8.22 ; 1.27,8.22 3.95,8.22 ; 1.27,8.22 3.95,8.22 ; 1.27,8.22 3.95,8.22 ; 1.27,8.22 3.95,8.22 ; 1.27,8.22 3.95,8.22 ; 1.27,8.22 3.95,8.22 ; 1.27,8.22 3.95,8.22 ; 1.27,8.22 3.95,8.22 ; 1.27,8.22 3.95,8.22 ; 3.95,8.22 4.36,8.63 ; 3.95,8.22 4.36,8.63 ; 3.95,8.22 4.36,8.63 ; 3.95,8.22 4.36,8.63 ; 3.95,8.22 4.36,8.63 ; 3.95,8.22 4.36,8.63 ; 3.95,8.22 4.36,8.63 ; 3.95,8.22 4.36,8.63 ; 3.95,8.22 4.36,8.63 ; 3.95,8.22 4.36,8.63 ; 3.95,8.22 4.36,8.63 ; 3.95,8.22 4.36,8.63 ; 3.95,8.22 4.36,8.63 ; 3.95,8.22 4.36,8.63 ; 3.95,8.22 4.36,8.63 ; 3.95,8.22 4.36,8.63 ; 3.95,8.22 4.36,8.63 ; 3.95,8.22 4.36,8.63 ; 3.95,8.22 4.36,8.63 ; 3.95,8.22 4.36,8.63 ; 3.95,8.22 4.36,8.63 ; 3.95,8.22 4.36,8.63 ; 3.95,8.22 4.36,8.63 ; 3.95,8.22 4.36,8.63 ; 3.95,8.22 4.36,8.63 ; 3.95,8.22 4.36,8.63 ; 3.95,8.22 4.36,8.63 ; 3.95,8.22 4.36,8.63 ; 3.95,8.22 4.36,8.63 ; 3.95,8.22 4.36,8.63 ; 3.95,8.22 4.36,8.63 ; 3.95,8.22 4.36,8.63 ; 3.95,8.22 4.36,8.63 ; 3.95,8.22 4.36,8.63 ; 3.95,8.22 4.36,8.63 ; 3.95,8.22 4.36,8.63 ; 3.95,8.22 4.36,8.63 ; 3.95,8.22 4.36,8.63 ; 3.95,8.22 4.36,8.63 ; 3.95,8.22 4.36,8.63 ; 3.95,8.22 4.36,8.63 ; 3.95,8.22 4.36,8.63 ; 4.45,8.78 J173.61 ; 4.45,8.78 J173.61 ; 4.45,8.78 4.36,8.69 ; 4.45,8.78 4.36,8.69 ; 4.45,8.78 J173.61 ; 4.45,8.78 4.36,8.69 ; 4.45,8.78 4.36,8.69 ; 4.45,8.78 J173.61 ; 4.45,8.78 J173.61 ; 4.45,8.78 J173.61 ; 4.45,8.78 4.36,8.69 ; 4.45,8.78 J173.61 ; 4.45,8.78 4.36,8.69 ; 4.45,8.78 J173.61 ; 4.45,8.78 4.36,8.69 ; 4.45,8.78 J173.61 ; 4.45,8.78 J173.61 ; 4.45,8.78 4.36,8.69 ; 4.45,8.78 J173.61 ; 4.45,8.78 4.36,8.69 ; 4.45,8.78 4.36,8.69 ; 4.45,8.78 J173.61 ; 4.45,8.78 J173.61 ; 4.45,8.78 4.36,8.69 ; 4.45,8.78 J173.61 ; 4.45,8.78 4.36,8.69 ; 4.45,8.78 J173.61 ; 4.45,8.78 J173.61 ; 4.45,8.78 J173.61 ; 4.45,8.78 4.36,8.69 ; 4.45,8.78 J173.61 ; 4.45,8.78 4.36,8.69 ; 4.45,8.78 4.36,8.69 ; 4.45,8.78 J173.61 ; 4.45,8.78 J173.61 ; 4.45,8.78 4.36,8.69 ; 4.45,8.78 J173.61 ; 4.45,8.78 4.36,8.69 ; 4.45,8.78 4.36,8.69 ; 4.45,8.78 J173.61 ; 4.45,8.78 J173.61 ; 4.45,8.78 J173.61 ; 4.45,8.78 4.36,8.69 ; 4.45,8.78 J173.61 ; 4.45,8.78 J173.61 ; 4.45,8.78 J173.61 ; 4.45,8.78 4.36,8.69 ; 4.45,8.78 4.36,8.69 ; 4.45,8.78 4.36,8.69 ; 4.45,8.78 4.36,8.69 ; 4.45,8.78 4.36,8.69 ; 4.45,8.78 4.36,8.69 ; 4.45,8.78 4.36,8.69 ; 4.45,8.78 4.36,8.69 ; 4.45,8.78 J173.61 ; 4.45,8.78 J173.61 ; 4.45,8.78 4.36,8.69 ; 4.45,8.78 J173.61 ; 4.45,8.78 4.36,8.69 ; 4.45,8.78 J173.61 ; 4.45,8.78 J173.61 ; 4.45,8.78 J173.61 ; 4.45,8.78 J173.61 ; 4.45,8.78 4.36,8.69 ; 4.45,8.78 4.36,8.69 ; 4.45,8.78 4.36,8.69 ; 4.45,8.78 4.36,8.69 ; 4.45,8.78 4.36,8.69 ; 4.45,8.78 4.36,8.69 ; 4.45,8.78 4.36,8.69 ; 4.45,8.78 J173.61 ; 4.45,8.78 4.36,8.69 ; 4.45,8.78 4.36,8.69 ; 4.45,8.78 J173.61 ; 4.45,8.78 4.36,8.69 ; 4.45,8.78 J173.61 ; 4.45,8.78 J173.61 ; 4.45,8.78 4.36,8.69 ; 4.45,8.78 4.36,8.69 ; 4.45,8.78 J173.61 ; 4.45,8.78 J173.61 ; 4.45,8.78 J173.61 ; 4.45,8.78 4.36,8.69 ; 4.45,8.78 J173.61 ; 4.36,8.63 4.36,8.69 ; 4.36,8.63 4.36,8.69 ; 4.36,8.63 4.36,8.69 ; 4.36,8.63 4.36,8.69 ; 4.36,8.63 4.36,8.69 ; 4.36,8.63 4.36,8.69 ; 4.36,8.63 4.36,8.69 ; 4.36,8.63 4.36,8.69 ; 4.36,8.63 4.36,8.69 ; 4.36,8.63 4.36,8.69 ; 4.36,8.63 4.36,8.69 ; 4.36,8.63 4.36,8.69 ; 4.36,8.63 4.36,8.69 ; 4.36,8.63 4.36,8.69 ; 4.36,8.63 4.36,8.69 ; 4.36,8.63 4.36,8.69 ; 4.36,8.63 4.36,8.69 ; 4.36,8.63 4.36,8.69 ; 4.36,8.63 4.36,8.69 ; 4.36,8.63 4.36,8.69 ; 4.36,8.63 4.36,8.69 ; 4.36,8.63 4.36,8.69 ; 4.36,8.63 4.36,8.69 ; 4.36,8.63 4.36,8.69 ; 4.36,8.63 4.36,8.69 ; 4.36,8.63 4.36,8.69 ; 4.36,8.63 4.36,8.69 ; 4.36,8.63 4.36,8.69 ; 4.36,8.63 4.36,8.69 ; 4.36,8.63 4.36,8.69 ; 4.36,8.63 4.36,8.69 ; 4.36,8.63 4.36,8.69 ; 4.36,8.63 4.36,8.69 ; 4.36,8.63 4.36,8.69 ; 4.36,8.63 4.36,8.69 ; 4.36,8.63 4.36,8.69 ; 4.36,8.63 4.36,8.69 ; 4.36,8.63 4.36,8.69 ; 4.36,8.63 4.36,8.69 ; 4.36,8.63 4.36,8.69 ; 4.36,8.63 4.36,8.69 ; 4.36,8.63 4.36,8.69